# Altium PCB HIL_project.PcbDoc (part 1 of 3)
Units mm, origin at the board's own origin, x right, y up, seen from the top; angles counter-clockwise.
Board outline 165 x 120 mm, 2 copper layers (Top Layer, Bottom Layer); 116 components, 232 nets, 732 pads, 1218 vias.
Unrouted connection lines stored in the file: 107.
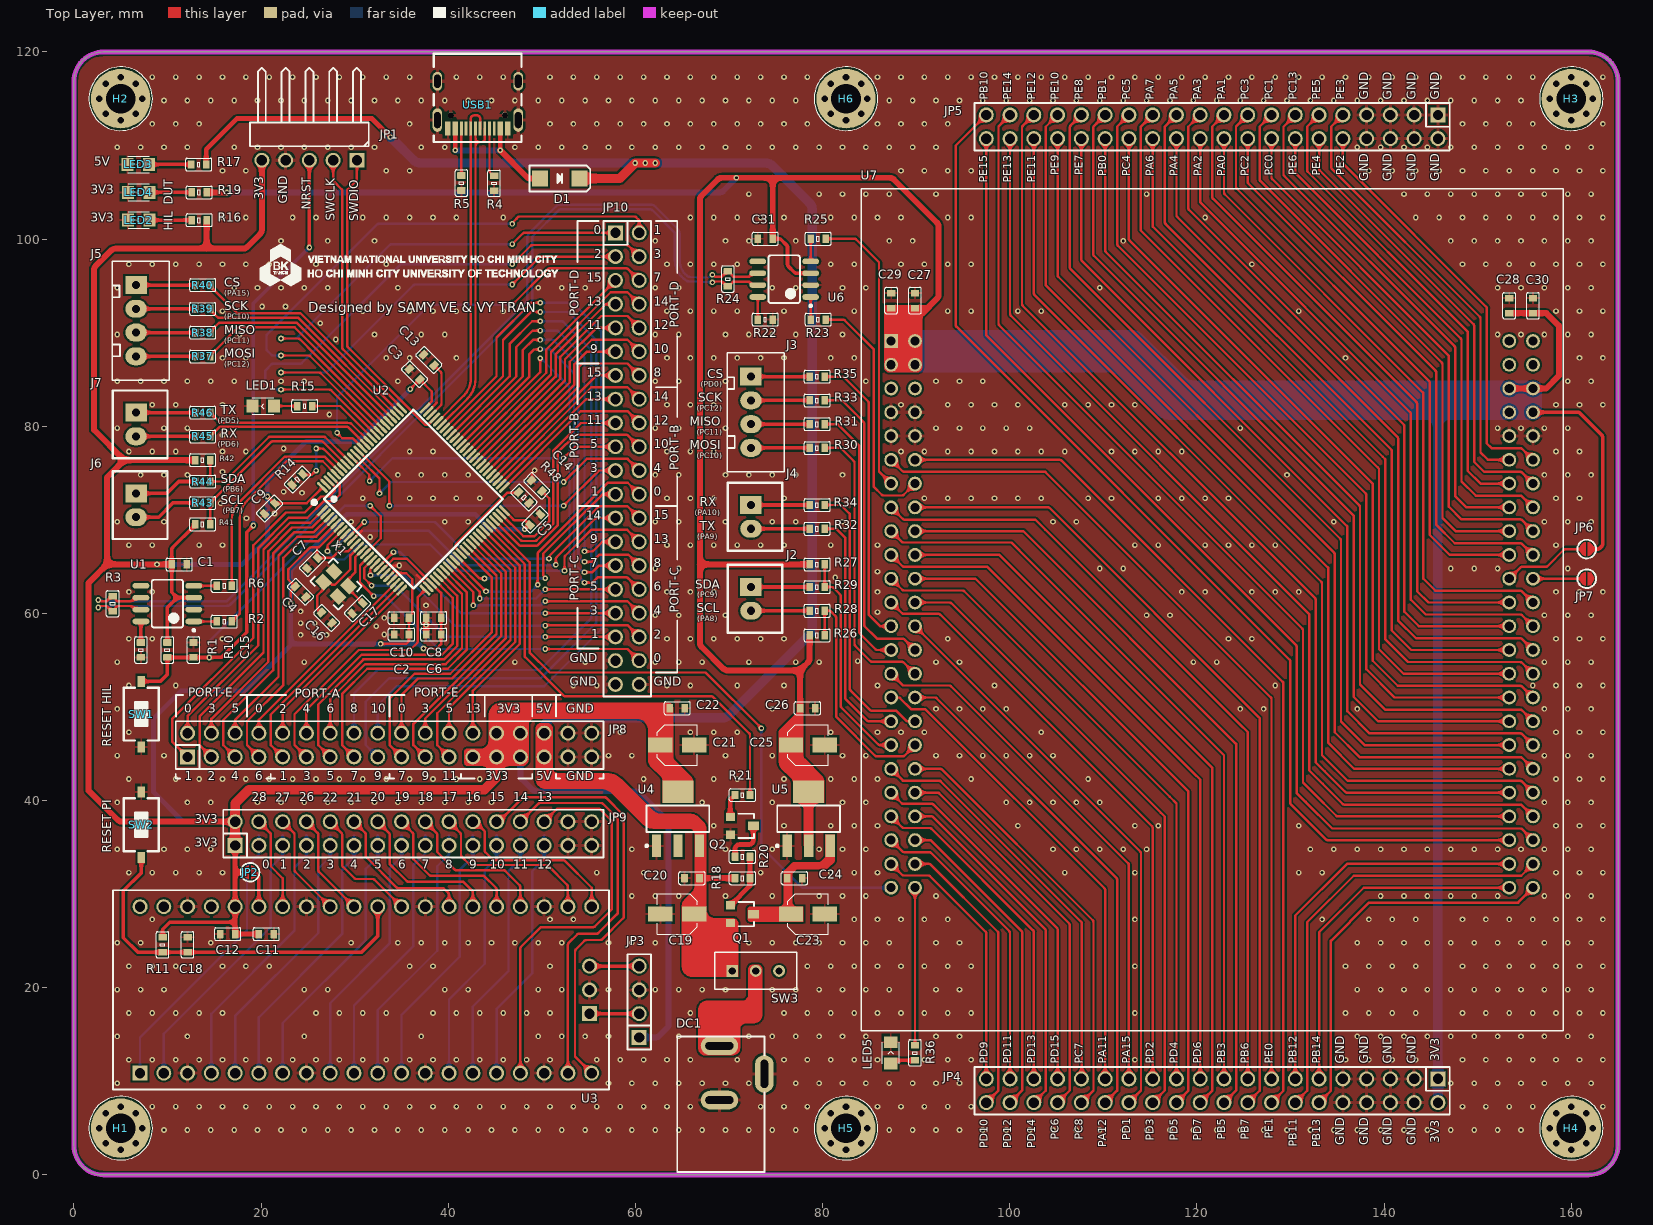
[diagram p0: Top Layer view]
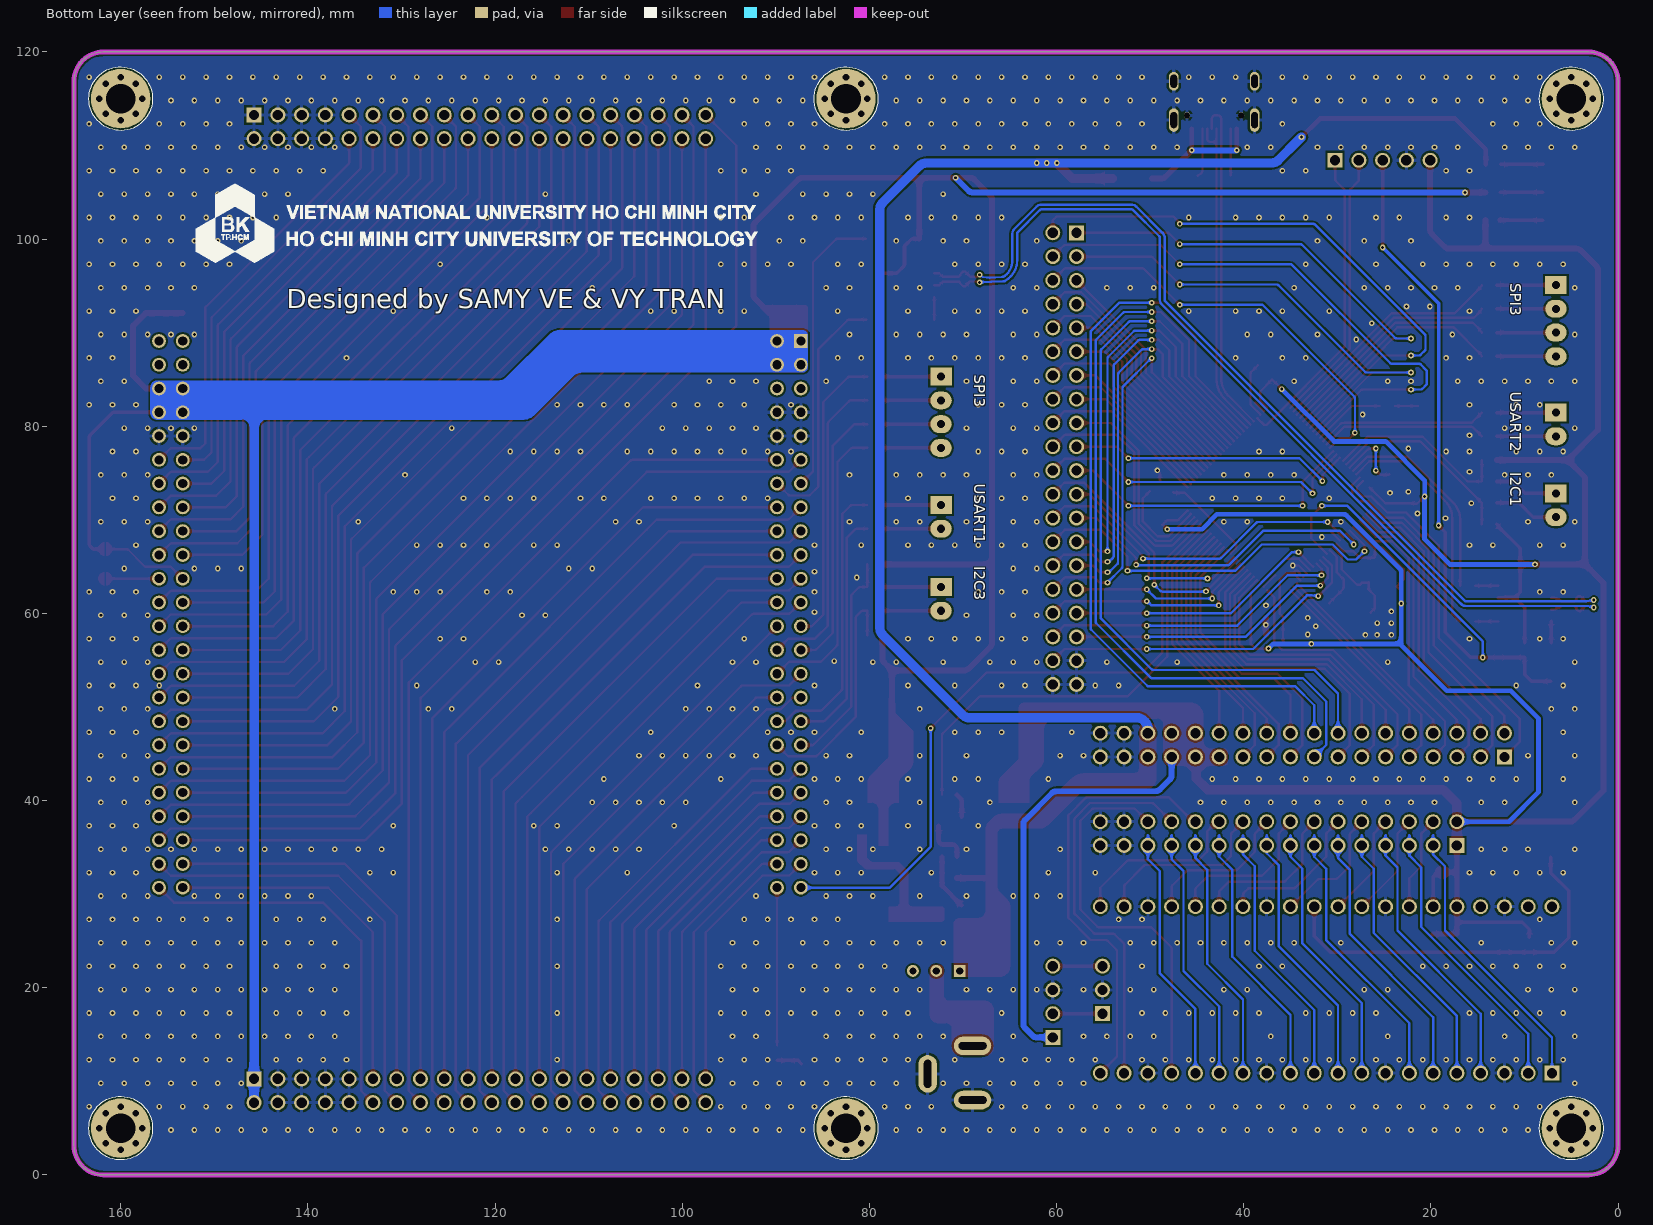
[diagram p1: Bottom Layer view, seen from below]

## Layer stack, top to bottom
Top Solder: solder mask 0.0102, Solder Resist, Dk 3.5
Top Layer: signal copper 0.0356
Dielectric 1: dielectric 0.32, FR-4, Dk 4.8
Bottom Layer: signal copper 0.0356
Bottom Solder: solder mask 0.0102, Solder Resist, Dk 3.5

## Board outline
0,3.15 0,116.85 cw(c3.15,116.85) 3.15,120 161.85,120 cw(c161.85,116.85) 165,116.85 165,3.15 cw(c161.85,3.15) 161.85,0 3.15,0 cw(c3.15,3.15)

## Design rules (kind name [scope] priority, off if disabled: settings)
Clearance [All] p1: gap=0.203 ignorepadtopadclearanceinfootprint=TRUE except(0.178: Arc-Arc Arc-Track Track-Track)
DiffPairsRouting [All] p1: maxlimit=0.254 minlimit=0.203 mostfreqgap=0.254 toplayer_minwidth=0.254 toplayer_maxwidth=0.381 toplayer_prefwidth=0.254 bottomlayer_minwidth=0.254 bottomlayer_maxwidth=0.381 bottomlayer_prefwidth=0.254 maxuncoupledlength=12.7
HoleSize [All] p1: absolutevalues=TRUE maxlimit=4 minlimit=0.025 maxpercent=80.000 minpercent=20.000
MinimumSolderMaskSliver [All] p1: minsoldermaskwidth=0.1
PolygonConnect [All] p1: thpad.connectstyle=Relief thpad.reliefconductorwidth=0.381 thpad.reliefentries=4 thpad.polygonreliefangle="90 Angle" thpad.airgapwidth=0.254 smdpad.connectstyle=Relief smdpad.reliefconductorwidth=0.254 smdpad.reliefentries=4 smdpad.polygonreliefangle="90 Angle" smdpad.airgapwidth=0.254 via.connectstyle=Direct via.reliefconductorwidth=0.254 via.reliefentries=4 via.polygonreliefangle="90 Angle" via.airgapwidth=0.254
RoutingVias [All] p1: holewidth=0.3 width=0.6 viastyle="Through Hole" minholewidth=0.3 minwidth=0.6 maxholewidth=0.711 maxwidth=1.27
SilkToSilkClearance [All] p1: silktosilkclearance=0.12
SilkToSolderMaskClearance [IsPad] p1: minsilkscreentomaskgap=0.12 clearancetoexposedcopper=TRUE
SolderMaskExpansion [All] p1: expansion=0.102 istentingtop=FALSE
SupplyNets "Schematic Supply Nets_3" [InNet('+3.3 DUT')] p1: voltage=0.000
SupplyNets "Schematic Supply Nets_2" [InNet('+3.3 HIL')] p2: voltage=0.000
SupplyNets "Schematic Supply Nets_1" [InNet('GND')] p3: voltage=0.000
SupplyNets "Schematic Supply Nets" [InNet('+5')] p4: voltage=0.000
Width [All] p1: maxlimit=2.54 minlimit=0.254 preferedwidth=0.254
25 further rules are at their usual default settings.

## Classes and differential pairs
component class Power: C19 C20 C21 C22 C23 C24 C25 C26 DC1 H1 H2 H3 H4 H5 H6 LED2 LED3 LED4 Q1 Q2 R16 R17 R18 R19 R20 R21 SW3 U4 U5
component class HIL_Header: J5 J6 J7 JP8 JP9 JP10 R37 R38 R39 R40 R41 R42 R43 R44 R45 R46
component class HIL: C1 C2 C3 C4 C5 C6 C7 C8 C9 C10 C11 C12 C13 C14 C15 C16 C17 C18 D1 JP1 JP2 JP3 LED1 R1 R2 R3 R4 R5 R6 R10 R11 R14 R15 R48 SW1 SW2 U1 U2 U3 USB1 X1
component class DUT: C27 C28 C29 C30 C31 J2 J3 J4 JP4 JP5 JP6 JP7 LED5 R22 R23 R24 R25 R26 R27 R28 R29 R30 R31 R32 R33 R34 R35 R36 U6 U7
differential pair CAN: +CAN_P -CAN_N
differential pair HIL_D: +HIL_D_P -HIL_D_N

## Components (designator, comment, footprint, x,y, rotation, side; value= is the part's Value field where it differs from the comment)
C1 "0.1uF" CN-SMD-0603 11.256,65.238 r0 top value=33pF
C2 "4.7uF" CN-SMD-0603 35.005,57.745 r180 top value=33pF
C3 "0.1uF" CN-SMD-0603 36.402,85.558 r135 top value=33pF
C4 "0.1uF" CN-SMD-0603 24.21,62.317 r315 top value=33pF
C5 "0.1uF" CN-SMD-0603 49.276,70.028 r45 top value=33pF
C6 "0.1uF" CN-SMD-0603 38.434,57.745 r180 top value=33pF
C7 "1uF" CN-SMD-0603 25.48,65.365 r225 top value=33pF
C8 "0.1uF" CN-SMD-0603 38.434,59.523 r180 top value=33pF
C9 "0.1uF" CN-SMD-0603 20.908,71.207 r225 top value=33pF
C10 "1uF" CN-SMD-0603 35.005,59.523 r180 top value=33pF
C11 "0.1uF" CN-SMD-0603 20.565,25.741 r0 top value=33pF
C12 "4.7uF" CN-SMD-0603 16.425,25.741 r180 top value=33pF
C13 "1uF" CN-SMD-0603 37.926,87.082 r315 top value=33pF
C14 "1uF" CN-SMD-0603 49.454,73.635 r315 top value=33pF
C15 "0.1uF" CN-SMD-0603 12.78,56.094 r270 top value=33pF
C16 "10pF" CN-SMD-0603 27.004,59.523 r135 top value=33pF
C17 "10pF" CN-SMD-0603 30.306,60.539 r225 top value=33pF
C18 "0.1uF" CN-SMD-0603 12.145,24.598 r270 top value=33pF
C19 "10uF" CAP-ALU-SMD-4.5x5x1.4 64.469,27.875 r180 top value=104
C20 "0.1uF" CN-SMD-0603 66.044,31.71 r0 top value=33pF
C21 "10uF" CAP-ALU-SMD-4.5x5x1.4 64.469,45.934 r0 top value=104
C22 "0.1uF" CN-SMD-0603 64.469,49.871 r180 top value=33pF
C23 "10uF" CAP-ALU-SMD-4.5x5x1.4 78.43,27.875 r0 top value=104
C24 "0.1uF" CN-SMD-0603 77.005,31.71 r180 top value=33pF
C25 "10uF" CAP-ALU-SMD-4.5x5x1.4 78.43,45.934 r0 top value=104
C26 "0.1uF" CN-SMD-0603 78.392,49.871 r180 top value=33pF
C27 "0.1uF" CN-SMD-0603 89.869,93.432 r90 top value=33pF
C28 "0.1uF" CN-SMD-0603 153.369,92.886 r90 top value=33pF
C29 "0.1uF" CN-SMD-0603 87.329,93.432 r90 top value=33pF
C30 "0.1uF" CN-SMD-0603 155.909,92.886 r90 top value=33pF
C31 "0.1uF" CN-SMD-0603 73.874,100.036 r180 top value=33pF
D1 "SS34" DIO-SMD-A 51.918,106.477 r180 top value=1N5007
DC1 "Jack DC" DC0 68.975,10.9 r90 top value="Jac DC"
H1 "M3" M3 5,5 r0 top
H2 "M3" M3 5,115 r0 top
H3 "M3" M3 160,115 r0 top
H4 "M3" M3 160,5 r0 top
H5 "M3" M3 82.5,5 r0 top
H6 "M3" M3 82.5,115 r0 top
J2 "Header2" XH2.54-2-DIP 72.343,61.555 r270 top
J3 "Header4" XH2.54-4-DIP 72.343,81.494 r270 top
J4 "Header2" XH2.54-2-DIP 72.343,70.318 r270 top
J5 "Header4" XH2.54-4-DIP 6.644,91.279 r270 top
J6 "Header2" XH2.54-2-DIP 6.644,71.556 r270 top
J7 "Header2" XH2.54-2-DIP 6.644,80.192 r270 top
JP1 "JP5" JP5-D1C 18.81,110.965 r180 top
JP2 "JUMP2" JUMP2 18.817,32.345 r270 top
JP3 "JP4" JP4-D1T 60.405,14.692 r90 top
JP4 "JP20x2" JP20-D2T 121.619,9 r180 top
JP5 "JP20x2" JP20-D2T 121.619,112 r180 top
JP6 "JUMP2" JUMP2 161.65,66.875 r270 top
JP7 "JUMP2" JUMP2 161.65,63.714 r90 top
JP8 "JP18x2" JP18-D2T 33.735,45.934 r0 top
JP9 "JP16x2" JP16-D2T 36.275,36.477 r0 top
JP10 "JP20x2" JP20-D2T 59.135,76.541 r270 top
LED1 "LED" LED-0805-Red 20.222,82.159 r180 top value="LED 3 - 5 ly 2 Colour"
LED2 "LED" LED-0805-Red 6.933,102.022 r180 top value="LED 3 - 5 ly 2 Colour"
LED3 "LED" LED-0805-Red 6.883,107.974 r180 top value="LED 3 - 5 ly 2 Colour"
LED4 "LED" LED-0805-Red 6.933,104.998 r180 top value="LED 3 - 5 ly 2 Colour"
LED5 "LED" LED-0805-Red 87.278,13.041 r90 top value="LED 3 - 5 ly 2 Colour"
Q1 "AO3401" SOT23-123 71.403,27.875 r270 top
Q2 "2N222" SOT23-231 71.403,37.298 r270 top value=C1815
R1 "10k" RES-SMD-0603 7.161,56.094 r90 top
R2 "22R" RES-SMD-0603 16.082,59.142 r0 top
R3 "120R" RES-SMD-0603 4.144,61.047 r90 top
R4 "5.1k" RES-SMD-0603 44.907,105.969 r270 top
R5 "5.1k" RES-SMD-0603 41.407,105.994 r270 top
R6 "22R" RES-SMD-0603 16.082,62.952 r0 top
R10 "10k" RES-SMD-0603 9.986,56.094 r270 top
R11 "10k" RES-SMD-0603 9.478,24.598 r270 top
R14 "10k" RES-SMD-0603 23.887,74.313 r225 top
R15 "1k" RES-SMD-0603 24.667,82.159 r0 top
R16 "1k" RES-SMD-0603 13.385,102.022 r180 top
R17 "3k3" RES-SMD-0603 13.335,107.974 r180 top
R18 "10k" RES-SMD-0603 71.441,31.71 r180 top
R19 "1k" RES-SMD-0603 13.385,104.998 r180 top
R20 "1k" RES-SMD-0603 71.441,33.996 r180 top
R21 "1k" RES-SMD-0603 71.441,40.6 r0 top
R22 "10k" RES-SMD-0603 73.874,91.4 r180 top
R23 "22R" RES-SMD-0603 79.524,91.4 r0 top
R24 "120R" RES-SMD-0603 69.879,95.741 r90 top
R25 "22R" RES-SMD-0603 79.524,100.036 r0 top
R26 "4.7k" RES-SMD-0603 79.417,57.658 r0 top
R27 "4.7k" RES-SMD-0603 79.417,65.238 r0 top
R28 "22R" RES-SMD-0603 79.417,60.285 r180 top
R29 "22R" RES-SMD-0603 79.417,62.825 r180 top
R30 "22R" RES-SMD-0603 79.417,77.684 r180 top
R31 "22R" RES-SMD-0603 79.417,80.224 r180 top
R32 "22R" RES-SMD-0603 79.417,69.048 r180 top
R33 "22R" RES-SMD-0603 79.417,82.764 r180 top
R34 "22R" RES-SMD-0603 79.417,71.588 r180 top
R35 "22R" RES-SMD-0603 79.417,85.304 r180 top
R36 "1k" RES-SMD-0603 89.869,13.041 r90 top
R37 "22R" RES-SMD-0603 13.756,87.469 r180 top
R38 "22R" RES-SMD-0603 13.756,90.009 r180 top
R39 "22R" RES-SMD-0603 13.756,92.549 r180 top
R40 "22R" RES-SMD-0603 13.756,95.089 r180 top
R41 "4.7k" RES-SMD-0603 13.756,69.524 r0 top
R42 "4.7k" RES-SMD-0603 13.756,76.382 r0 top
R43 "22R" RES-SMD-0603 13.756,71.81 r180 top
R44 "22R" RES-SMD-0603 13.756,74.096 r180 top
R45 "22R" RES-SMD-0603 13.756,78.922 r180 top
R46 "22R" RES-SMD-0603 13.756,81.462 r180 top
R48 "10k" RES-SMD-0603 48.08,72.388 r135 top
SW1 "SW" SW1-SMD 7.192,49.236 r90 top value="SW chip 2 pin"
SW2 "SW" SW1-SMD 7.192,37.425 r270 top value="SW chip 2 pin"
SW3 "Switch 3x1" SS12D00 72.851,21.804 r90 top value="Switch 4x2"
U1 "SN65HVD230DR" SO8 9.986,61.047 r180 top
U2 "STM32F407VET6" LQFP100 36.275,72.223 r45 top locked
U3 "Raspberry Pi Pico" "RASPBERRY PI PICO" 31.195,19.772 r90 top locked
U4 "LM1117-3.3V" SOT223 64.544,38.06 r0 top
U5 "LM1117-3.3V" SOT223 78.505,38.06 r0 top
U6 "SN65HVD230DR" SO8 75.899,95.718 r180 top
U7 "STM32F407 DEV KIT" "STM32F407 DEV KIT" 121.619,59.904 r0 top locked
USB1 "USB TYPE C" "TYPE C 16P" 43.155,115.799 r180 top
X1 "8MHz" XT4-16.000MHZ-4_V 27.99,63.149 r315 top value=4Mhz

## Footprints (in the part's own frame and the unit in brackets; to place one, negate y for a bottom-side part, rotate by r counter-clockwise, add the part's x,y. Pads: shape width x height; smd on the part's side, far side on the other; paste and mask are expansions set on the pad)
CAP-ALU-SMD-4.5x5x1.4 [mm]
  rect 2.6x1.6 smd: 1(-1.8,0) 2(1.8,0)
  silkscreen extent -2.15,-2.15 2.15,2.15, body extent -2.5,-2.15 2.5,2.15, height 5.45
CN-SMD-0603 [mm]
  rrect10% 0.7x0.9 smd: 1(-0.8,0) 2(0.8,0)
  silkscreen extent -1.4,-0.67 1.4,0.68, body extent -0.8,-0.4 0.8,0.4, height 0.3
DC0 [mm] "Jac DC input"
  oval 2x4 hole 0.8 slot 3 at 90 deg: 1(2.9,0) 2(-2.9,0)
  oval 4x2 hole 0.8 slot 3 at 0 deg: 3(-0.1,-4.8)
  silkscreen extent -10.6,-4.8 3.9,4.5, body extent -10.6,-4.9 3.9,4.5, height 10.7
DIO-SMD-A [mm]
  rect 1.7x1.7 smd: 1(2.1,0) 2(-2.1,0)
  silkscreen extent -3.25,-1.4 3.25,1.4, body extent -2.6,-1.3 2.6,1.3, height 2.4
JP4-D1T [mm] "4 pins, 1 row, straight, gold plating"
  rect 1.6x1.6 hole 1.1: 1(0,0)
  round 1.6 hole 1.1: 2(2.54,0) 3(5.08,0) 4(7.62,0)
  silkscreen extent -1.27,-1.27 8.89,1.27, body extent -1.27,-1.27 8.89,1.27, height 8.54
JP5-D1C [mm] "5 pins, 1 row, right angled, gold plating"
  rect 1.6x1.6 hole 1.1: 1(-11.43,2.54)
  round 1.6 hole 1.1: 2(-8.89,2.54) 3(-6.35,2.54) 4(-3.81,2.54) 5(-1.27,2.54)
  silkscreen extent -12.7,-7.34 0,1.04, body extent -12.7,-7.52 0,2.84, height 2.55
JP16-D2T [mm] "32 pins, dual pin, straight, gold plating"
  rect 1.6x1.6 hole 1.1: 1(-19.05,-1.27)
  round 1.6 hole 1.1: 2(-16.51,-1.27) 3(-13.97,-1.27) 4(-11.43,-1.27) 5(-8.89,-1.27) 6(-6.35,-1.27) 7(-3.81,-1.27) 8(-1.27,-1.27) 9(1.27,-1.27) 10(3.81,-1.27) 11(6.35,-1.27) 12(8.89,-1.27) 13(11.43,-1.27) 14(13.97,-1.27) 15(16.51,-1.27) 16(19.05,-1.27) 17(19.05,1.27) 18(16.51,1.27) 19(13.97,1.27) 20(11.43,1.27) 21(8.89,1.27) 22(6.35,1.27) 23(3.81,1.27) 24(1.27,1.27) 25(-1.27,1.27) 26(-3.81,1.27) 27(-6.35,1.27) 28(-8.89,1.27) 29(-11.43,1.27) 30(-13.97,1.27) 31(-16.51,1.27) 32(-19.05,1.27)
  silkscreen extent -20.32,-2.54 20.32,2.54, body extent -20.32,-2.54 20.32,2.54, height 8.55
JP18-D2T [mm] "36 pins, dual pin, straight, gold plating"
  rect 1.6x1.6 hole 1.1: 1(-21.59,-1.27)
  round 1.6 hole 1.1: 2(-19.05,-1.27) 3(-16.51,-1.27) 4(-13.97,-1.27) 5(-11.43,-1.27) 6(-8.89,-1.27) 7(-6.35,-1.27) 8(-3.81,-1.27) 9(-1.27,-1.27) 10(1.27,-1.27) 11(3.81,-1.27) 12(6.35,-1.27) 13(8.89,-1.27) 14(11.43,-1.27) 15(13.97,-1.27) 16(16.51,-1.27) 17(19.05,-1.27) 18(21.59,-1.27) 19(21.59,1.27) 20(19.05,1.27) 21(16.51,1.27) 22(13.97,1.27) 23(11.43,1.27) 24(8.89,1.27) 25(6.35,1.27) 26(3.81,1.27) 27(1.27,1.27) 28(-1.27,1.27) 29(-3.81,1.27) 30(-6.35,1.27) 31(-8.89,1.27) 32(-11.43,1.27) 33(-13.97,1.27) 34(-16.51,1.27) 35(-19.05,1.27) 36(-21.59,1.27)
  silkscreen extent -22.86,-2.54 22.86,2.54, body extent -22.86,-2.54 22.86,2.54, height 8.55
JP20-D2T [mm] "40 pins, dual pin, straight, gold plating"
  rect 1.6x1.6 hole 1.1: 1(-24.13,-1.27)
  round 1.6 hole 1.1: 2(-21.59,-1.27) 3(-19.05,-1.27) 4(-16.51,-1.27) 5(-13.97,-1.27) 6(-11.43,-1.27) 7(-8.89,-1.27) 8(-6.35,-1.27) 9(-3.81,-1.27) 10(-1.27,-1.27) 11(1.27,-1.27) 12(3.81,-1.27) 13(6.35,-1.27) 14(8.89,-1.27) 15(11.43,-1.27) 16(13.97,-1.27) 17(16.51,-1.27) 18(19.05,-1.27) 19(21.59,-1.27) 20(24.13,-1.27) 21(24.13,1.27) 22(21.59,1.27) 23(19.05,1.27) 24(16.51,1.27) 25(13.97,1.27) 26(11.43,1.27) 27(8.89,1.27) 28(6.35,1.27) 29(3.81,1.27) 30(1.27,1.27) 31(-1.27,1.27) 32(-3.81,1.27) 33(-6.35,1.27) 34(-8.89,1.27) 35(-11.43,1.27) 36(-13.97,1.27) 37(-16.51,1.27) 38(-19.05,1.27) 39(-21.59,1.27) 40(-24.13,1.27)
  silkscreen extent -25.4,-2.54 25.4,2.54, body extent -25.4,-2.54 25.4,2.54, height 8.55
JUMP2 [mil]
  round 1 smd: 1(0,17.33) 2(0,-17.33)
  Top Layer region: -29.08,5.13 -23.68,17.63 -13.25,26.39 0,29.53 13.25,26.39 23.68,17.63 29.08,5.13 29.08,5.13
  Top Layer region: 29.08,-5.13 23.68,-17.63 13.25,-26.39 0,-29.53 -13.25,-26.39 -23.68,-17.63 -29.08,-5.13 -29.08,-5.13
  silkscreen extent -39,-39 39,39
LED-0805-Red [mil]
  rect 50x55 smd: 1(-45,0) 2(45,0)
  silkscreen extent -45,-35 45,35, body extent -40,-25 40,25, height 43
LQFP100 [mm]
  rect 1.5x0.32 smd: 1(-7.75,6)
  oval 1.5x0.32 smd: 2(-7.75,5.5) 3(-7.75,5) 4(-7.75,4.5) 5(-7.75,4) 6(-7.75,3.5) 7(-7.75,3) 8(-7.75,2.5) 9(-7.75,2) 10(-7.75,1.5) 11(-7.75,1) 12(-7.75,0.5) 13(-7.75,0) 14(-7.75,-0.5) 15(-7.75,-1) 16(-7.75,-1.5) 17(-7.75,-2) 18(-7.75,-2.5) 19(-7.75,-3) 20(-7.75,-3.5) 21(-7.75,-4) 22(-7.75,-4.5) 23(-7.75,-5) 24(-7.75,-5.5) 25(-7.75,-6) 51(7.75,-6) 52(7.75,-5.5) 53(7.75,-5) 54(7.75,-4.5) 55(7.75,-4) 56(7.75,-3.5) 57(7.75,-3) 58(7.75,-2.5) 59(7.75,-2) 60(7.75,-1.5) 61(7.75,-1) 62(7.75,-0.5) 63(7.75,0) 64(7.75,0.5) 65(7.75,1) 66(7.75,1.5) 67(7.75,2) 68(7.75,2.5) 69(7.75,3) 70(7.75,3.5) 71(7.75,4) 72(7.75,4.5) 73(7.75,5) 74(7.75,5.5) 75(7.75,6)
  oval 0.32x1.5 smd: 26(-6,-7.75) 27(-5.5,-7.75) 28(-5,-7.75) 29(-4.5,-7.75) 30(-4,-7.75) 31(-3.5,-7.75) 32(-3,-7.75) 33(-2.5,-7.75) 34(-2,-7.75) 35(-1.5,-7.75) 36(-1,-7.75) 37(-0.5,-7.75) 38(0,-7.75) 39(0.5,-7.75) 40(1,-7.75) 41(1.5,-7.75) 42(2,-7.75) 43(2.5,-7.75) 44(3,-7.75) 45(3.5,-7.75) 46(4,-7.75) 47(4.5,-7.75) 48(5,-7.75) 49(5.5,-7.75) 50(6,-7.75) 76(6,7.75) 77(5.5,7.75) 78(5,7.75) 79(4.5,7.75) 80(4,7.75) 81(3.5,7.75) 82(3,7.75) 83(2.5,7.75) 84(2,7.75) 85(1.5,7.75) 86(1,7.75) 87(0.5,7.75) 88(0,7.75) 89(-0.5,7.75) 90(-1,7.75) 91(-1.5,7.75) 92(-2,7.75) 93(-2.5,7.75) 94(-3,7.75) 95(-3.5,7.75) 96(-4,7.75) 97(-4.5,7.75) 98(-5,7.75) 99(-5.5,7.75) 100(-6,7.75)
  silkscreen extent -7.95,-6.75 6.75,7.45, body extent -8,-8 8,8, height 1.6
M3 [mm]
  round 1 hole 0.7: 1(-2.286,0) 1(-1.616,-1.616) 1(-1.616,1.616) 1(0,-2.286) 1(0,2.286) 1(1.616,-1.616) 1(1.616,1.616) 1(2.286,0)
  round 6.35 hole 3.18: 1(0,0)
  silkscreen extent -3.4,-3.4 3.4,3.4
"RASPBERRY PI PICO" [mm]
  rect 1.6x1.6 hole 1.1: 1(-8.89,24.13) D1(-2.54,-23.9)
  round 1.6 hole 1.1: 2(-8.89,21.59) 3(-8.89,19.05) 4(-8.89,16.51) 5(-8.89,13.97) 6(-8.89,11.43) 7(-8.89,8.89) 8(-8.89,6.35) 9(-8.89,3.81) 10(-8.89,1.27) 11(-8.89,-1.27) 12(-8.89,-3.81) 13(-8.89,-6.35) 14(-8.89,-8.89) 15(-8.89,-11.43) 16(-8.89,-13.97) 17(-8.89,-16.51) 18(-8.89,-19.05) 19(-8.89,-21.59) 20(-8.89,-24.13) 21(8.89,-24.13) 22(8.89,-21.59) 23(8.89,-19.05) 24(8.89,-16.51) 25(8.89,-13.97) 26(8.89,-11.43) 27(8.89,-8.89) 28(8.89,-6.35) 29(8.89,-3.81) 30(8.89,-1.27) 31(8.89,1.27) 32(8.89,3.81) 33(8.89,6.35) 34(8.89,8.89) 35(8.89,11.43) 36(8.89,13.97) 37(8.89,16.51) 38(8.89,19.05) 39(8.89,21.59) 40(8.89,24.13) D2(0,-23.9) D3(2.54,-23.9)
  silkscreen extent -10.65,-26 10.65,27, body extent -10.5,-25.65 10.5,26.8, height 14.79
RES-SMD-0603 [mm]
  rrect10% 0.7x0.9 smd: 1(-0.8,0) 2(0.8,0)
  silkscreen extent -1.4,-0.67 1.4,0.68, body extent -0.8,-0.4 0.8,0.4, height 0.43
SO8 [mm] "SOIC, 8-Leads, Body 4.9x3.9mm, Pitch 1.27mm, IPC High Density"
  oval 1.8x0.6 smd: 1(-2.825,1.905) 2(-2.825,0.635) 3(-2.825,-0.635) 4(-2.825,-1.905) 5(2.825,-1.905) 6(2.825,-0.635) 7(2.825,0.635) 8(2.825,1.905)
  silkscreen extent -2.95,-2.55 1.68,2.98, body extent -2.99,-2.45 3,2.45, height 1.6
SOT23-123 [mm] "SOT23, 1=bottom-left, 2=top, 3=bottom-right"
  rect 0.9x0.95 smd: 1(-0.95,-1.25) 3(0.95,-1.25)
  rect 0.9x1.2 smd: 2(0,1.2)
  silkscreen extent -1.3,-0.38 1.3,1.25, body extent -1.52,-1.23 1.48,1.27, height 1.15
SOT23-231 [mm]
  rect 0.9x0.95 smd mask+0: 1(0.95,-1.25)
  rect 0.9x0.95 smd: 2(-0.95,-1.25)
  rect 0.9x1.2 smd: 3(0,1.2)
  silkscreen extent -1.3,-0.38 1.3,1.25, body extent -1.52,-1.23 1.48,1.27, height 1.15
SOT223 [mm]
  rect 1x2.4 smd: 1(-2.3,-2.9) 2(0,-2.9) 3(2.3,-2.9)
  rect 3.3x2.4 smd: 4(0,2.9)
  silkscreen extent -3.47,-3.02 3.35,1.4, body extent -3.25,-3.56 3.25,3.4, height 1.68
SS12D00 [mil]
  rect 50x50 hole 30 paste-99999 mask+0: 1(0,98.43)
  round 50 hole 30 paste-99999 mask+0: 2(0,0) 3(0,-98.43)